# Altium PCB ZLS_MCU.PcbDoc (part 2 of 5) (continued)
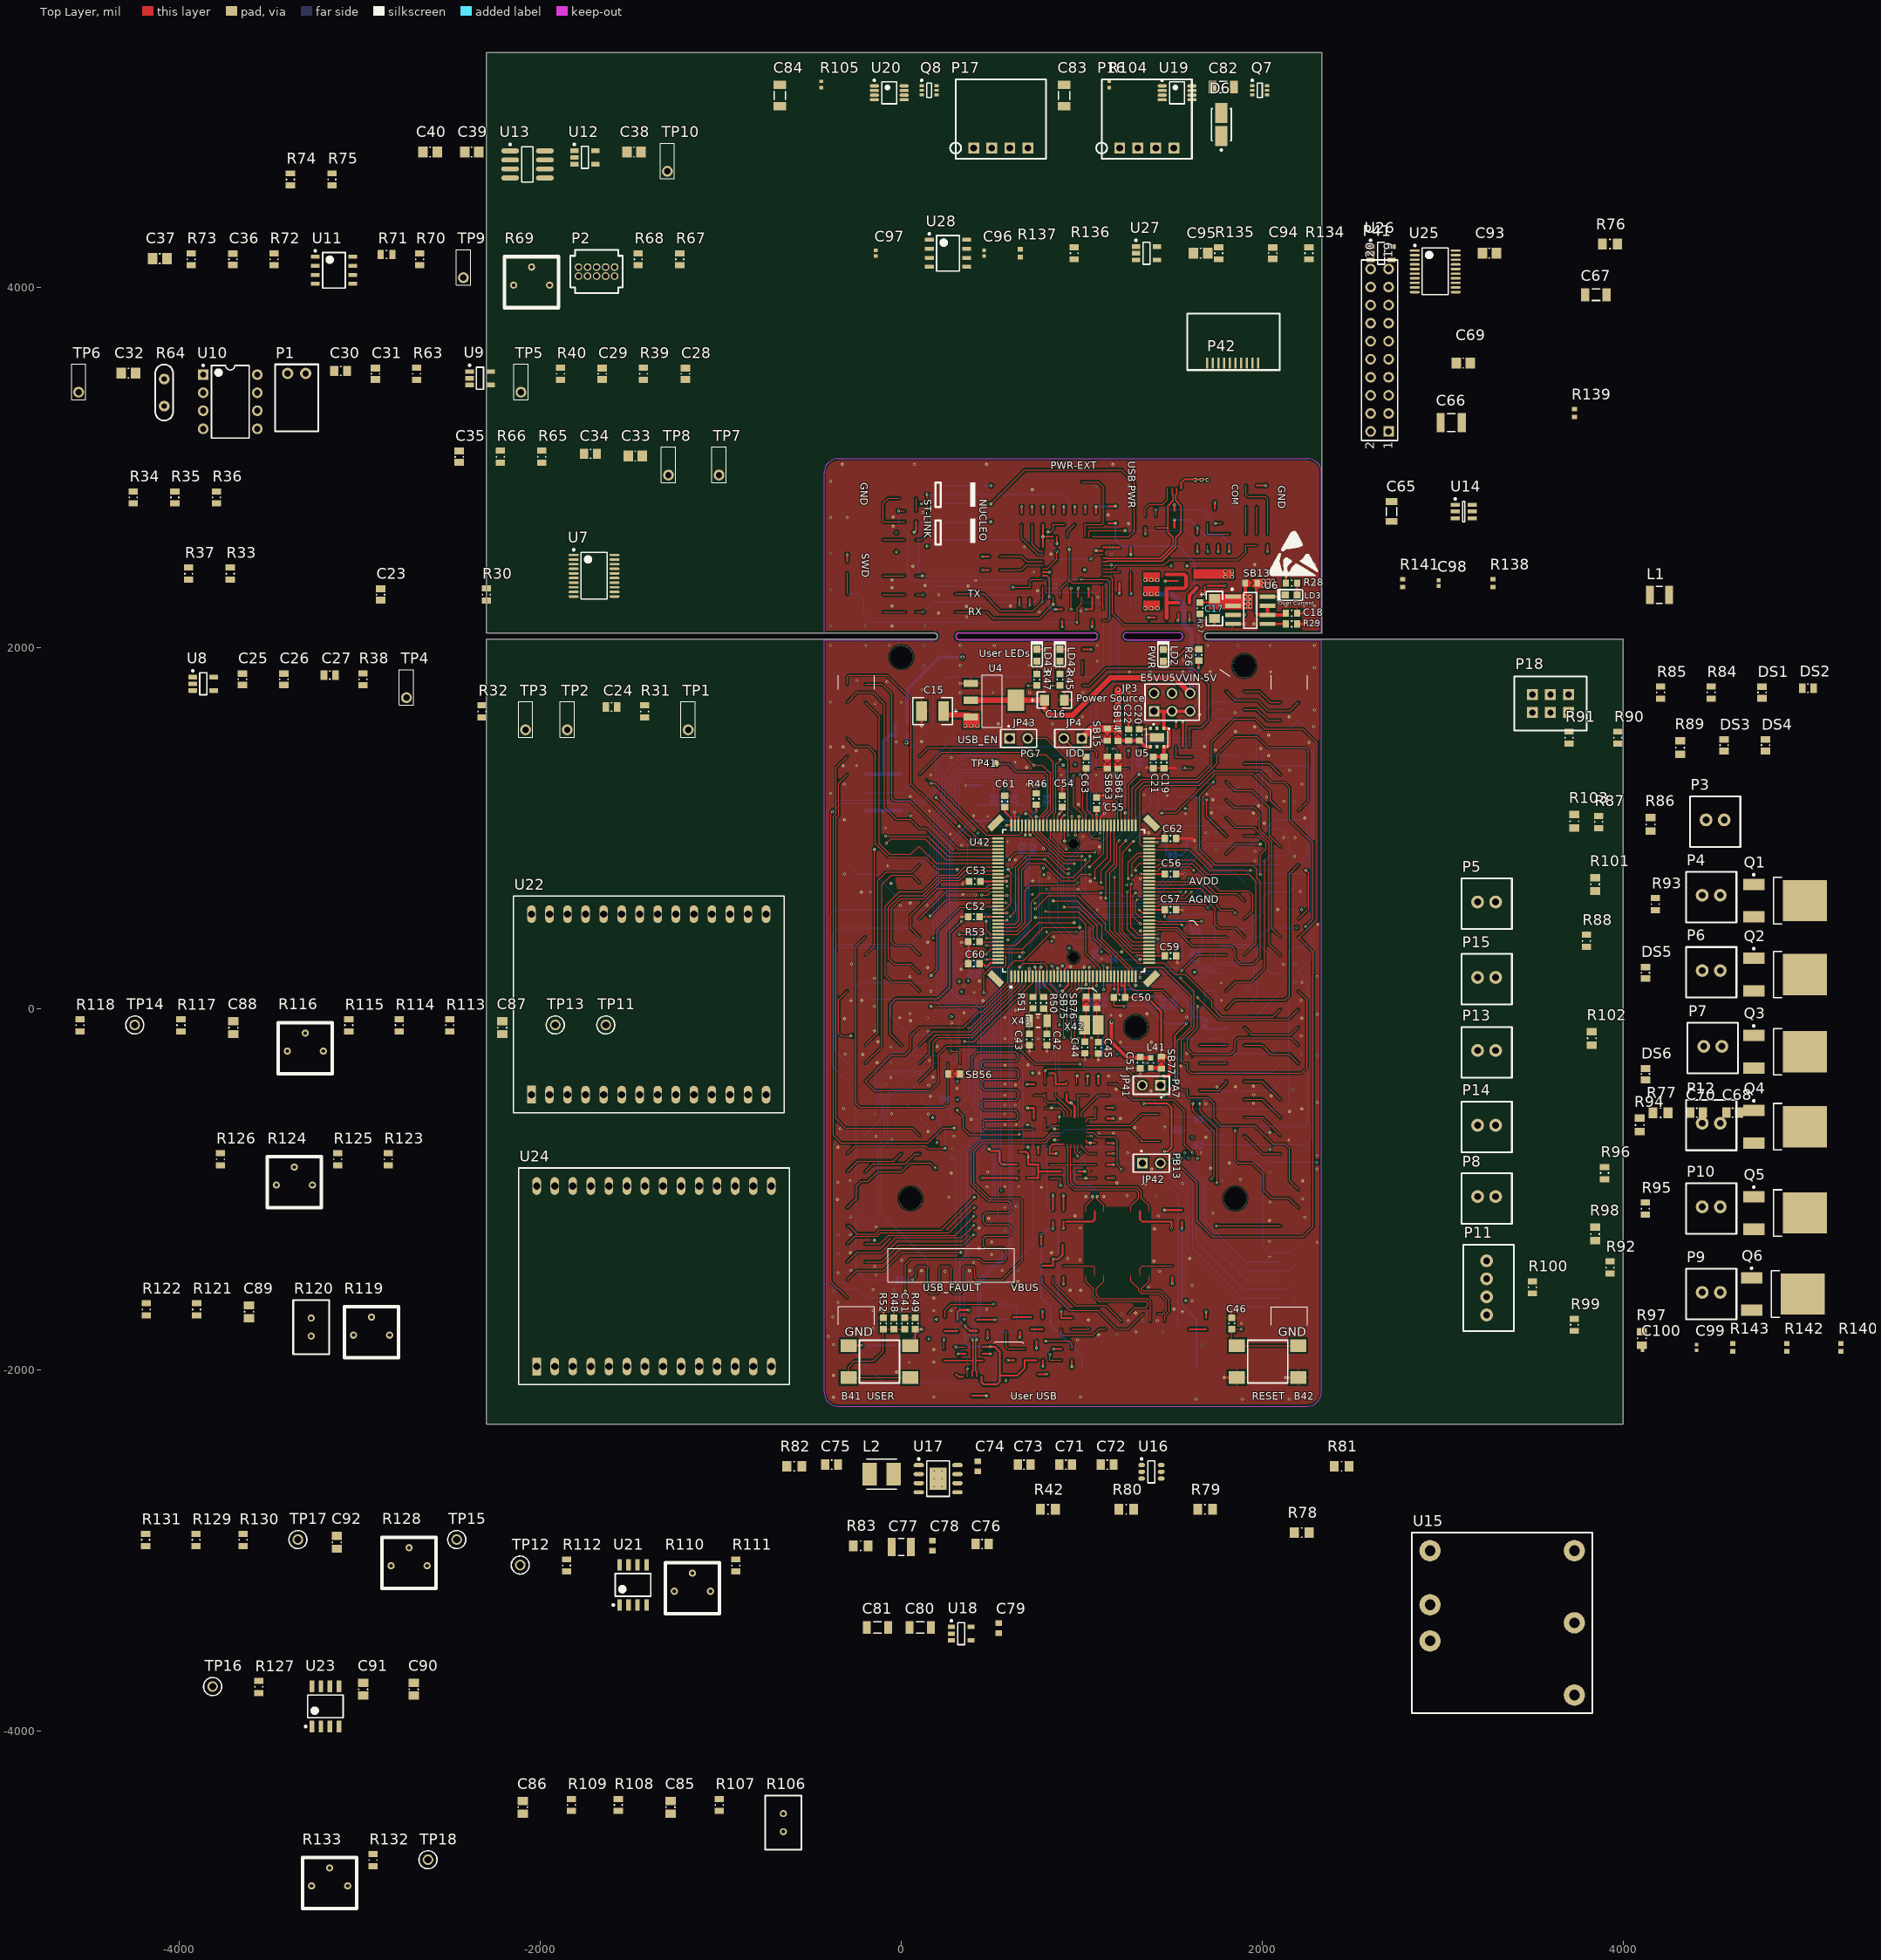
[diagram p0: Top Layer view]
## Part data (continued)
U16: "IC REG SWTCHD CAP INV 6SOT23", Current - Output=200mA, Frequency - Switching=2MHz, Manufacturer="Texas Instruments", Operating Temperature="-40°C ~ 85°C (TA)", Package / Case=SOT-23-6, Supplier Part Number 1=296-43957-6-ND, Voltage - Input (Max)=5.5V, Voltage - Input (Min)=2.7V, Voltage - Output (Max)=-, Voltage - Output (Min/Fixed)=-Vin, Category="Integrated Circuits (ICs)", ComponentLink1Description=http://www.ti.com/lit/ds/symlink/lm2776.pdf, ComponentLink1URL=http://www.ti.com/lit/ds/symlink/lm2776.pdf, Function=Ratiometric, Manufacturer Part Number=LM2776DBVR, Mounting Type="Surface Mount", Number of Outputs=1, Output Configuration=Negative, Output Type=Fixed, Packaging=Digi-Reel®, Part Status=Active, Pricing 1="1=1.05, 10=0.936, 100=0.7297, 500=0.60276, 1000=0.47586 (USD)", RoHS="RoHS Compliant", Stock 1=13045, Supplier 1=Digi-Key, Supplier Device Package=SOT-23-6, Synchronous Rectifier=No, Topology="Charge Pump"
U17: library part LMR23625CDDAR, "IC REG BUCK ADJ 2.5A SYNC 8SOPWR", Current - Output=2.5A, Frequency - Switching=2.1MHz, Manufacturer="Texas Instruments", Operating Temperature="-40°C ~ 125°C (TJ)", Package / Case="8-PowerSOIC (0.154\", 3.90mm Width)", Supplier Device Package="8-SO PowerPad", Supplier Part Number 1=296-47269-1-ND, Voltage - Input (Max)=36V, Voltage - Input (Min)=4.5V, Voltage - Output (Max)=28V, Voltage - Output (Min/Fixed)=1V, Category="Integrated Circuits (ICs)", ComponentLink1Description=http://www.ti.com/lit/ds/symlink/lmr23625.pdf, ComponentLink1URL=http://www.ti.com/lit/ds/symlink/lmr23625.pdf, Function=Step-Down, Manufacturer Part Number=LMR23625CFDDAR, Mounting Type="Surface Mount", Number of Outputs=1, Output Configuration=Positive, Output Type=Adjustable, Packaging="Cut Tape (CT)", Part Status=Active, Pricing 1="1=3.24, 10=2.912, 100=2.3861, 500=2.03124, 1000=1.7131 (USD)", RoHS="RoHS Compliant", Stock 1=2378, Supplier 1=Digi-Key, Synchronous Rectifier=Yes, Topology=Buck
U18: library part CMP-0394-00528-2, "Single Output LDO, 300 mA, Fixed 3.3 V Output, 2 to 5.5 V Input, with Low IQ, 5-pin SOT-23 (DBV), -40 to 125 degC, Green (RoHS & no Sb/Br)", Base Part Number=TLV70233, Current - Output=300mA, Manufacturer="Texas Instruments", Operating Temperature="-40°C ~ 125°C", Package / Case="SC-74A, SOT-753", Supplier Device Package=SOT-23-5, Supplier Part Number 1=296-32415-1-ND, Voltage - Input (Max)=5.5V, Voltage - Output (Max)=-, Voltage - Output (Min/Fixed)=3.3V, Voltage Dropout (Max)="0.38V @ 300mA", Category="Integrated Circuits (ICs)", ComponentLink1Description=http://www.ti.com/lit/ds/symlink/tlv702.pdf, ComponentLink1URL=http://www.ti.com/lit/ds/symlink/tlv702.pdf, Control Features=Enable, Manufacturer Part Number=TLV70233DBVR, Mounting Type="Surface Mount", Output Configuration=Positive, Output Type=Fixed, Packaging="Cut Tape (CT)", Part Status=Active, Pricing 1="1=0.51, 10=0.44, 100=0.3288, 500=0.25832, 1000=0.19961 (USD)", Protection Features="Over Current, Over Temperature, Reverse Polarity, Under Voltage Lockout (UVLO)", PSRR="68dB (1kHz)", RoHS="RoHS Compliant", Stock 1=65852, Supplier 1=Digi-Key
U19 U20: library part CMP-0479-00214-1, "Low Loss PowerPath Controller for Large PFET, 3 to 36 V Vin, 8-pin SOP (MS8-8), -40 to 85 degC, Pb-Free, Tape and Reel", Base Part Number=LTC4414, Current - Output (Max)=-, Manufacturer="Linear Technology/Analog Devices", Manufacturer Part Number=LTC4414EMS8#PBF, Operating Temperature="-40°C ~ 85°C", Package / Case="8-TSSOP, 8-MSOP (0.118\", 3.00mm Width)", Supplier Device Package=8-MSOP, Supplier Part Number 1=LTC4414EMS8#PBF-ND, Voltage - Supply="3 V ~ 36 V", Applications="Battery Backup, Industrial/Automotive, High Current Switch", Category="Integrated Circuits (ICs)", ComponentLink1Description=http://www.linear.com/docs/9037, ComponentLink1URL=http://www.linear.com/docs/9037, FET Type=P-Channel, Internal Switch(s)=No, Mounting Type="Surface Mount", Packaging=Tube, Part Status=Active, Pricing 1="1=3.79, 25=2.6928, 100=2.2236 (USD)", Ratio - Input:Output=2:1, RoHS="RoHS Compliant", Stock 1=414, Supplier 1=Digi-Key, Type="Source Selector Switch"
U21: library part CMP-0055-00867-3, "Low Power CMOS Dual Operational Amplifier, 8-pin Narrow SOIC", Manufacturer="Texas Instruments", Package Reference=D0008A, PackageTopMarking=NSZXTT*LPC66*2AIM, PowerWise=N, Code_IPC=SOIC127P600-8, Code_JEDEC=MS-012-AA, ComponentLink1Description="Datasheet URL", ComponentLink1URL=http://www.ti.com/general/docs/lit/getliterature.tsp?genericPartNumber=LPC662&fileType=pdf, CompType=Amplifiers, PackageDescription="SOIC Narrow, 4.9 x 3.9 x 1.45mm, 8 Lead, 1.27mm Pitch", PartId=1, PinCount=8, RoHS=N
U22 U24: "Single Axix CMOS Signal Conditioning Module", Manufacturer=Spectron, Manufacturer Part Number=A40012
U23: library part CMP-0055-00867-3, "Low Power CMOS Dual Operational Amplifier, 8-pin Narrow SOIC", Base Part Number=LPC662, Current - Supply=86µA, Manufacturer="Texas Instruments", Manufacturer Part Number=LPC662AIMX/NOPB, Operating Temperature="-40°C ~ 85°C", Package / Case="8-SOIC (0.154\", 3.90mm Width)", Supplier Device Package=8-SOIC, Supplier Part Number 1=296-35456-1-ND, Voltage - Supply, Single/Dual (±)="4.75 V ~ 15.5 V, ±2.38 V ~ 7.75 V", Amplifier Type="General Purpose", Category="Integrated Circuits (ICs)", ComponentLink1Description=http://www.ti.com/lit/ds/symlink/lpc662.pdf, ComponentLink1URL=http://www.ti.com/lit/ds/symlink/lpc662.pdf, Mounting Type="Surface Mount", Output Type=Rail-to-Rail, Packaging="Cut Tape (CT)", Part Status=Active, Pricing 1="1=2.98, 10=2.672, 100=2.1893, 500=1.86368, 1000=1.57178 (USD)", RoHS="RoHS Compliant", Slew Rate="0.11 V/µs", Stock 1=4976, Supplier 1=Digi-Key
U28: library part CMP-0055-00893-3, "CMOS Dual Operational Amplifier, 8-pin Narrow SOIC", Manufacturer="Texas Instruments", Package Reference=D0008A, PackageTopMarking=NSZXTT*LMC66*2CM, PowerWise=N, Code_IPC=SOIC127P600-8, Code_JEDEC=MS-012-AA, ComponentLink1Description="Datasheet URL", ComponentLink1URL=http://www.ti.com/general/docs/lit/getliterature.tsp?genericPartNumber=LMC662&fileType=pdf, CompType=Amplifiers, PackageDescription="SOIC Narrow, 4.9 x 3.9 x 1.45mm, 8 Lead, 1.27mm Pitch", PartId=1, PinCount=8, RoHS=N
X41: library part CRYSTAL_32K, "Crystal"
X42: library part XTAL, "Crystal Oscillator", LatestRevisionDate=17-Jul-2002, LatestRevisionNote="Re-released for DXP Platform.", PackageReference=R38, Published=8-Jun-2000, Publisher="Altium Limited"
SB62 SB64 SB78 SB79 SB81 SB82 SB83 SB85 SB86: Published=24-Mar-1999, Publisher="Altium Limited", Revision="July-2002: Re-released for DXP Platform.", Solder=NO

## Free pads (board coordinates)
  round 125.98 hole 125.98 unplated: 0(0,1950) 0(50,-1050) 0(1300,-100) 0(1850,-1050) 0(1900,1900)

## Via types
v1: diameter 16, hole 8, Top Layer to Bottom Layer, tented both sides, 464 vias
v2: diameter 15, hole 8, Top Layer to Bottom Layer, tented both sides, 415 vias
v3: diameter 20, hole 12, Top Layer to Bottom Layer, tented both sides, 39 vias
v4: diameter 19.68, hole 7.87, Top Layer to Bottom Layer, 6 vias
v5: diameter 15, hole 8, Top Layer to Bottom Layer, 1 vias

## Nets (pads, with @x,y where several pads share a name; then routed paths per layer and width w, separated by ;. In a path a pad name is that pad's centre, name@x,y a point inside that pad or via, vN(x,y) a via of type N, cw(c..) or ccw(c..) an arc to the next point about the centre after c; other vN are vias at no path point)
+3.3: C80.2 R104.2 R105.2 U9.5 U18.5
+3V3: JP4.1 P41.1 P41.2 SB14.2 SB15.1 | length 435.2
  Top Layer w40: JP4.1@1000,1500 1053.75,1553.75 SB15.1@1141,1553.75 SB14.2@1199,1553.75 ; SB14.2@1200,1552.75 v3@1200,1766.66
  other v3: 1201.79,1706 1201.79,1737.22 1201.79,1768.45
+3V3_PER: SB15.2 | length 2964.5
  Top Layer w10: v2(654,2236.7) 654,2273.2 ; SB15.2@1139.75,1487.5 SB15.2@1141,1486.25 ; 1522.09,1559.15 v1(1522.09,1595)
  Top Layer w20: v3(1103,1486) 1140.75,1486 SB15.2@1141,1486.25
  Signal w10: v3(339,1948.5) 330.5,1948.5 275,2004 275,2100.94 310.06,2136 621.5,2136 654,2168.5 v2@654,2235
  Signal w20: v3(339,1948.5) 982.26,1948.5 1103,1827.76 v3(1103,1486)
  Bottom Layer w10: v3(1103,1486) 1212,1595 v1(1522.09,1595)
  Bottom Layer w20: 32.75,1577 32.75,1772.75 208.5,1948.5 v3(339,1948.5)
+5: C24.1 C68.2 C69.2 C70.2 C75.1 C76.1 C81.2 C86.1 C91.1 C96.2 L1.1 L2.2 P2.4 R31.2 R82.2 R86.2 R89.2 R94.1 R97.1 R98.2 R101.1 R102.1 R103.1 U8.5 U14.4 U14.6 U18.1 U18.3 U21.8 U22.7 U23.8 U24.7 U28.8
"+5 BBB": C71.1 R78.1 U16.3 U16.4
+5R: U7.4 U7.9 U12.1 U12.4
+5V: C19.1 C21.2 JP3.1 JP3.3 JP3.5 R26.2 U5.1 U5.6 | length 2072
  Top Layer w10: 1147,2690.76 v1@1185.61,2690.76 ; v2(1648,1892) R26.2@1648,1930.5
  Top Layer w20: C21.2@1396,1397.5 C19.1@1455,1397.5 U5.6@1455,1452.22 ; JP3.1@1400,1650 1454,1650 ; U5.6@1454.4,1452.82 1475.82,1452.82 1482,1459 1482,1545 1471.82,1555.18 U5.1@1454.4,1555.18 1454.4,1649.6 1454,1650 ; JP3.5@1600,1650 JP3.3@1500,1650 1454,1650
  Bottom Layer w10: v1(1186.37,2691.51) 1186.37,2596.63 1217,2566 1533.87,2566 1625,2474.87 1625,2129 1648,2106 v2(1648,1892) 1648,1698 JP3.5@1600,1650
+12: C31.2 C37.2 C38.2 C40.2 C93.2 C95.2 DS1.1 DS2.1 DS3.1 DS4.1 DS5.1 DS6.1 P4.1 P6.1 P7.1 P9.1 P10.1 P12.1 R81.1 U7.16 U11.8 U12.5 U13.2 U15.4 U26.5 U27.5
-5: C28.1 C30.1 C72.1 C99.2 P2.3 U7.5 U8.2 U16.1 U21.4 U23.4 U28.4
AGND: C50.2 SB86.1 SB87.2 U42.31 | length 1362.7
  Top Layer w8: U42.31@1200.06,181.69 1200.06,88.56 C50.2@1176.5,65 1176.5,21.14 1180.53,17.11 1234.14,17.11 v2(1234.25,17) ; v2(1453,-482) 1517.21,-417.79 1517.21,-332.72 1514.7,-330.21 1514.7,-145.9 v2(1580,-80.6)
  Bottom Layer w8: v2(1234.25,17) 1361.59,17 1459.19,-80.6 v2(1580,-80.6) 1615.35,-45.25 ; SB86.1@1509,69.45 1538.55,69.45 1607.2,0.8 1607.2,0.28 1615.35,-7.87 1615.35,-45.25 ; SB87.2@1680,-45.25 1615.35,-45.25
"Arrestment Heater FET": R92.1
"Arrestment Htr Out": P7.2 Q3.4 R91.2
"Arrestment Htr_LED": DS4.2 R91.1
"Arrestment Thermistor": P8.1 R94.2
Aux+: D6.1 P16.1
AVDD: C50.1 SB77.2 U42.32 U42.33 | length 850.9
  Top Layer w10: U42.32@1219.75,181.69 1219.75,128.39 1239.43,128.39 ; U42.33@1239.43,181.69 1239.43,128.39 ; C50.1@1239.5,62 1239.43,62.07 1239.43,128.39 ; C50.1@1239.5,65 1359.74,65 1440,-15.26 SB77.2@1440,-262.8
  Top Layer w20: SB77.2@1440,-262.8 1470.8,-262.8 1487,-279 1487,-361.1 1476.1,-372 1452,-372 v3(1450.86,-373.14)
Battery_1: C83.2 P17.1 Q7.1 Q7.2 Q7.5 Q7.6 U19.7
Battery_2: C84.2 P17.3 Q8.1 Q8.2 Q8.5 Q8.6 U20.7
BBB_PWR_SW: P16.2
BEAM: P2.1 TP2.1 U7.14
"Beam Sync Demod Out": C29.2 R31.1 R33.1 R34.2 TP1.1
Beam_In: P42.10 R143.2 U28.5
Beam_mod: R32.2 TP3.1 U7.13
"Board1 Heater FET": R99.1
"Board1 Htr Out": P10.2 Q5.4 R95.1
"Board1 Thermistor": P13.1 R101.2
"Board1_Htr LED": DS5.2 R95.2
"Board2 Heater FET": R100.1
"Board2 Htr Out": P12.2 Q6.4 R96.1
"Board2 Thermistor": P14.1 R102.2
"Board2_Htr LED": DS6.2 R96.2
BOOT0: R53.1 U42.138 | length 1829.9
  Top Layer w5: -300,1500 -254.5,1454.5 -183.5,1454.5 -144,1415 -144,916.22 -69.81,842.03 132.97,842.03 200,775 310,775 v1(310,773) ; v1(320.57,414) 426,414 433.5,406.5 R53.1@433.5,373 ; R53.1@434,372.5 U42.138@534.57,372.5
  Bottom Layer w5: v1@310,775 v1(310,773) 298,761 298,436.57 v1(320.57,414)
Bottom_In: R72.1 U7.8
"Conning Tower Heater FET": R87.1
"Conning Tower Htr Out": P6.2 Q1.4 R84.1
"Conning Tower Htr_LED": DS1.2 R84.2
"Conning Tower Thermistor": P3.1 R86.1
Cross_Black: P18.3 U24.25
Cross_Blue: P18.5 U24.24
Cross_Raw: R130.1 TP15.1 U24.19
Cross_Yellow: C89.2 P18.1 U24.27
E5V: JP3.2
"Gearbox Heater FET": R93.1
"Gearbox Htr Out": P4.2 Q4.4 R90.1
"Gearbox Htr_LED": DS3.2 R90.2
"Gearbox Thermistor": P5.1 R89.1
GND: B42.1 B42.4 C15.2 C16.2 C17.2 C18.1 C19.2 C20.2 C21.1 C22.1 C24.2 C25.1 C26.1 C27.1 C28.2 C29.1 C30.2 C31.1 C33.1 C34.2 C37.1 C38.1 C39.1 C40.1 C42.2 C43.2 C44.2 C45.2 C46.1 C47.2 C48.2 C49.2 C51.2 C52.2 C53.2 C54.2 C55.2 C56.2 C57.2 C58.2 C59.2 C60.2 C61.2 C62.2 C63.2 C66.1 C67.1 C68.1 C69.1 C70.1 C71.2 C72.2 C76.2 C77.1 C78.1 C79.1 C80.1 C81.1 C82.1 C83.1 C84.1 C86.2 C88.2 C91.2 C92.2 C93.1 C94.1 C95.1 C96.1 C99.1 C100.1 LD2.2 LD42.2 LD43.2 P1.1 P2.2 P2.9 P3.2 P5.2 P8.2 P11.2 P11.4 P13.2 P14.2 P15.2 P16.3 P16.4 P17.2 P17.4 P41.4 P41.6 P41.8 P41.10 P41.12 P41.14 P41.16 P41.18 P41.20 Q1.3 Q2.3 Q3.3 Q4.3 Q5.3 Q6.3 R29.1 R40.1 R52.2 R53.2 R63.1 R64.2 R69.2 R74.1 R75.1 R77.2 R79.2 R80.2 R83.1 R118.1 R132.1 R135.2 R141.2 R142.2 R143.1 SB59.2 SB81.2 SB83.2 SB84.2 SB87.1 TP7.1 U4.1 U5.0 U5.2 U6.4 U7.2 U7.6 U7.7 U7.12 U9.2 U10.4 U11.4 U12.2 U13.4 U14.2 U15.2 U15.6 U16.2 U17.6 U17.8 U17.9 U18.2 U19.2 U19.3 U20.2 U20.3 U22.22 U24.22 U25.1 U25.2 U25.3 U25.4 U25.5 U25.6 U25.7 U25.8 U25.9 U25.10 U25.14 U25.19 U26.2 U27.2 U42.16 U42.51 U42.61 U42.83 U42.94 U42.107 U42.120 U42.130 | length 2880.8
  Top Layer w8: U42.130@535.69,531.1 v1@584.73,531.1 ; U42.120@535.69,727.95 572.04,727.95 583.08,739 v2(589,739) ; v1(627,1091.28) 627.98,1090.3 627.98,1019.52 U42.107@629.2,1018.31 ; U42.16@904.79,181.69 904.79,219.79 920,235 v1(938.42,235) ; v2(1023,1298) C63.2@1023,1334.5 C63.2@1030,1327.51 ; U42.83@1101.64,1018.31 1101.64,1060.14 v1(1125.75,1084.25) ; v2(1319,550.79) 1319,548.74 1334.86,532.88 1370.53,532.88 U42.51@1372.31,531.1 ; v1(1323,-364) 1324,-363 C51.2@1324,-328.9 ; v2(1323.54,722.64) 1327.41,726.5 U42.61@1370.85,726.5
  Top Layer w10: R52.2@-100,-1710.5 v2(-100,-1674) ; v1(111.98,1567.98) C15.2@111.98,1651 ; v1@324,1804 v1(326,1804) U4.1@385,1804 ; v2(331.75,368.5) R53.2@368.25,368.5 ; v2(334,512) C52.2@370.5,512 ; v1(340.82,693) 340.82,701.82 347,708 C53.2@375.5,708 ; C60.2@370.5,252 R53.2@370.5,373 ; v2(709,-236) C43.2@709,-199.5 ; LD43.2@752.75,1993.46 v2(799.75,1993.43) ; v2(807,-236) C42.2@807,-199.5 ; LD42.2@879.76,1993 v2@926.73,1993 ; U42.94@885.1,1018.31 885.1,1056.69 v2(902,1073.58) ; C54.2@890,1185 v2(890,1230) ; C16.2@903,1712 v1(951,1712) ; v2(1016,-281) C44.2@1016,-244.5 ; C55.2@1082,1182.5 v2(1125.75,1182.5) ; v2(1091,-282) C45.2@1091,-245.5 ; C22.1@1259,1550.5 v2(1259,1628.07) ; C20.2@1318,1550.5 v2@1354.5,1550.5 ; v2(1354.5,1522) U5.0@1391,1522 ; v2(1359.5,1334.5) C21.1@1396,1334.5 1522,1334.5 ; LD2.2@1451.04,1992.79 v2(1498.04,1992.77) ; C57.2@1522.5,551 v2(1558,551) ; C56.2@1522.5,748 v2(1570,748) ; C62.2@1522.5,945 1613.75,945 v2(1625.75,933) ; C59.2@1523.5,296 C59.2@1522.5,295 1530,287.5 v2(1530,255.51) ; v2(1735,2127.5) C17.2@1735,2164 ; v1(1788.87,-2041.58) B42.1@1858.72,-2041.58 ; C46.1@1830,-1710.5 v1(1830,-1675) ; U6.4@1837.53,2134 v1(1903,2134) ; v1(2129.42,-2041.58) B42.4@2199.28,-2041.58 ; R29.1@2193.5,2134 v1(2232,2134) ; C18.1@2193.5,2193 v1(2233,2193)
  Bottom Layer w10: v1(331,221) 330,221 330,239.36 342.46,251.83 SB83.2@368.19,251.83 ; v2(354,1239) 355,1240 C47.2@425,1240 C47.2@446,1240 ; v2(1108,276.3) 1108.3,276 SB84.2@1138.25,276 ; SB81.2@1535.75,853 1554.3,853 1578.5,877.2 C48.2@1578.5,926 ; C48.2@1578,932 1624.75,932 v2(1625.75,933) ; SB59.2@1600.25,314 1600.25,280.75 1616.46,264.54 1641.54,264.54 v2(1642,265) ; SB87.1@1680,-112.75 1787.25,-112.75 1800,-100
  other v1: 1631.03,-2161 1890,-2161 2148.97,-2161 -376.5,-2150 -142.25,-2150 179,-2149 622,-2149 807.21,-2149 993,-2149 -376.5,-2029 -25.75,-2010.04 43,-1955.06 179,-1955.06 179.47,-1886 1669,-1861 -376.5,-1859 977,-1832 -404,-1814 1092,-1805 1193,-1803 1448.82,-1789 1299.1,-1788 -157.97,-1768 1884,-1741 1257.62,-1726.17 1337.94,-1726.17 1418.25,-1726.17 1037,-1722 -380,-1706 1219.75,-1691.86 1297.78,-1682.87 1556,-1678 -156,-1670.5 179,-1670.5 276.5,-1670 473,-1664 1510,-1662 -351.37,-1626 1610.94,-1615.79 179,-1602 -375,-1566.79 936,-1558 994,-1558 -42,-1557 -156,-1554 179,-1540 1371,-1540 1611,-1531 646,-1509 -141,-1475 -351.37,-1462 241,-1454 1431,-1453 48,-1450 112,-1450 378,-1450 559,-1448 647,-1447.71 400.5,-1404 1399,-1396 2,-1391 990,-1391 922,-1382 1597.26,-1382 499,-1360 -351.37,-1356 832,-1350 429.52,-1326 2304,-1292.86 499,-1290 2040,-1286 -148.74,-1279.7 -351.37,-1250 574.5,-1228 1402.35,-1218 991.76,-1214 430.77,-1212.62 -140,-1206.5 2039,-1172 484,-1160 2235,-1153 1423,-1146 962,-1145 1727,-1130 2042,-1069 -354,-1055 2224,-1052 264,-1042 1022.9,-1039 1122,-1039 1408,-1035 1251,-1034 474,-984.5 1351,-969 1558,-965.53 1194,-963 -352,-960 2223,-951 1775,-950.06 1879,-945 276.5,-907.39 479,-902 2043,-902 1387,-886 2302,-886 1713,-881 1817,-852 282,-822 2304,-813 1254,-795.84 1662,-795.34 2043,-778 282.11,-774 -352,-765.17 2147.65,-726 1687,-710 -141,-705 291,-703.84 2042.03,-684 148.13,-679 -340,-663 387.74,-611 1213,-606 -146,-583 -54,-579 2151,-568 -320.97,-552 2218.02,-552.5 1687,-525 1952,-522 2304,-515.94 2049,-481 1953,-474 1383,-454 2169,-445 309,-440 1851,-430 1951,-427 151,-421 -88,-419 -59,-379 175,-377 701,-309.5 -59,-298 -135,-297 156,-285 2304,-256.97 -214,-251 2217,-250 1582,-246 -59,-208.17 197,-208 -130.5,-181.5 2216,-148 -150,-122 279.5,-77 -316,-52 2218,-51 144,-49 1580,-44 1214,-35.76 2304,-28 1361,-26 346.79,-21 -149,16.3 837,40 453,47 -280,48 -219,49 2215,49.25 163.77,100 2220.03,148 2181,149 433,155.5 -149,171 2304,180 146,229.8 2181,246 2117,248 -276,250 655,291 146,370 585,533 2085,551 -7,574 142,576 406,586 48.5,588 1104.94,615 -222,648 2210,650 -58,697 1047.34,708.45 -316,748 2179,846 1097,900 2118,949.45 2181,950 1004,956.01 1370.05,976.02 1743.93,978 2011,1029 -316,1049.07 2235,1059 1950,1085 1719,1088 1980,1127 981,1134 1178,1135 1126,1136 2176,1149 2119,1152 1726,1160 2024,1175 1196,1183 -316,1246 2218,1246 2024,1321 2151,1323 693.93,1339.01 -323,1348 2034.5,1404 1355,1417.57 1740,1434 1993,1443 -323,1452 1679,1454.5 2258,1476 478,1478 -28.66,1480 111,1481 2035,1517.25 1852,1537 1958.25,1563 2284,1565 537,1580 709,1581 837.5,1581 1002,1619 2148,1619 1322,1632 1653,1632 1849,1642.49 -146,1693.35 326,1753 509.5,1753 710.81,1753 1005,1753 1262,1753 1449,1753 112.48,1770 1563.22,1932 -53,2122 -392,2123 -199,2123 1953,2134 2289,2134 362,2172 205.24,2194.26 763.56,2200.71 994.54,2206 361,2231 -53,2232.94 605,2232.94 2132,2235 2232,2235 2289,2235 1089,2281 207,2296 754,2318 -392,2323.94 -53,2334 370,2344 131,2346 854.71,2355 2289,2363 411,2374 -53,2377.94 731,2420 63,2453 1957.34,2463 2074,2463 2186,2463 2289,2463 1164,2519 829,2520 -392,2523.94 683,2559 -45.56,2675 1260,2690 -392,2723.94 -300,2723.94 -45.07,2726 1146,2738 119.84,2752 725,2877.94 1077,2894 1259,2897 -392,2924 -328,3018 72,3018 472,3018 872,3018 1172,3018
  other v2: 374,-1813 -280,-1448 -148,-1425 2041,-1374 -282,-1350 -282,-1250 -281,-1150 574.5,-1097 638,-1093.17 776,-986 575,-985 649,-985 -283,-951 -51,-721 1094,-686 1175,-686 1293,-657 1458,-654 575,-638 634,-638 149,-582 575,-581 575,-532 633,-532 162,-483 575,-476.02 1189.2,-444 1748,-432 633,-420 575,-417.24 1148,-369.63 762.42,-354.5 1549,-316 575,-311 -311,-250 1215,-183 1385,-183 575,-162 633,-162 758,-162 979,-162 1054,-161 147,-121 51,-65 -9,-49.94 575,-46 757,-46 1161,-35 48.5,-24 633,-7 1772,47 405.67,91 347,127.43 1773,147 48,179 1013,232.5 590,383 845.5,401 803.45,426 2306,469 1087,549.94 742,585.69 410,632 341.32,634 727,634 -172,650 979,664 587,680 1248,688 728,709 815,726.64 -75,795 1959.06,824 633,827 1962,874 1266.25,880 1744,881 915.13,889 787,889.43 334,908 592,927 272.84,971 1101,972 1685.99,978.54 1547.5,980.5 402.69,995 -91,1004 478,1070 50,1071 400,1071 1574,1081 157,1099.36 49,1179 1473.99,1184 1345.31,1185 1693.59,1190 -391.5,1196 698,1245 544,1268 164.5,1296 889,1297 1076,1297 1180,1297 876,1338 -250,1347 629,1366.25 276,1393 -249,1431 -391.5,1452.5 1353,1550 2288.5,1656.82 -1,1697 -391.5,1700 111.98,1770.5 -80,1813 -248,1821 1262.5,1868 1379,1868 1561,1868 1711,1868 2045,1868 2288.5,1891 125,1903 326.5,1903 510,1903 710.31,1903 837,1903 1087,1927 926.76,1992.97 -391.5,2014 -199.5,2014 -69,2014 125,2014 326.5,2014 515.21,2014 1087,2014 1695,2014 1864.59,2014 2046.18,2014 2288.5,2014 130,2123
  other v4: 181.83,-2644.75 225.13,-2644.75 181.83,-2601.44 225.13,-2601.44 181.83,-2558.13 225.13,-2558.13
Guard: R138.2
IOREF: 
"Lid Thermistor": P15.1 R103.2
Long_Black: P18.4 U22.25
Long_Blue: P18.6 U22.24
Long_Raw: R113.1 TP11.1 U22.19
Long_Yellow: C85.2 P18.2 U22.27
"Meter Heater FET": R88.1
"Meter Thermistor 1": P11.3 R98.1
"Meter Thermistor 2": P11.1 R97.2
Meter_Htr_LED: DS2.2 R85.1
Meter_Htr_Out: P9.2 Q2.4 R85.2
NetB41_1: B41.1 B41.4 C41.2 R48.1 R52.1 | length 869
  Top Layer w5: C41.2@18,-1773.5 R48.1@-41,-1773.5 R52.1@-100,-1773.5 -100,-1897 -153,-1950 -260,-1950 -292.28,-1982.28 B41.1@-292.28,-2041.58 B41.4@48.28,-2041.58
NetC18_2: C18.2 JP3.4 SB13.2 U6.6 U6.7 | length 388.2
  Top Layer w16: SB13.2@1972.75,2360 1967.17,2354.42 1967.17,2189.83 1973,2184 U6.6@2028.47,2184
  Top Layer w20: U6.7@2028.47,2234 U6.6@2028.47,2184 C18.2@2130.5,2184
  other v3: 2006,2346 2033,2346 2060,2346 2006,2373 2033,2373 2060,2373
NetC20_1: C20.1 C22.2 SB14.1 U5.4 | length 194.9
  Top Layer w20: SB14.1@1200,1485.25 1202.25,1487.5 C22.2@1259,1487.5 C20.1@1318,1487.5 1352.69,1452.82 U5.4@1379.6,1452.82
NetC23_1: C23.1 R30.2 R32.1 U8.4
NetC23_2: C23.2 R30.1 R33.2 U8.1
NetC25_2: C25.2 R34.1 R35.2
NetC26_2: C26.2 R35.1 R36.2
NetC27_2: C27.2 R36.1 R38.2
NetC32_1: C32.1 U10.7
NetC32_2: C32.2 U10.6
NetC35_1: C35.1 R67.2 R68.2 R75.2
NetC35_2: C35.2 R65.1 R66.2
NetC36_1: C36.1 R71.2 R73.2 R74.2
NetC36_2: C36.2 R70.1 R72.2
NetC39_2: C39.2 U12.3 U13.6
NetC41_1: C41.1 R49.2 | length 59
  Top Layer w5: C41.1@18,-1710.5 R49.2@77,-1710.5
NetC42_1: C42.1 R50.1 X41.1 | length 147.8
  Top Layer w5: R50.1@788,3.5 807.21,-15.71 X41.1@807.21,-65 C42.1@807.21,-136.29
NetC43_1: C43.1 R51.1 X41.2 | length 148.4
  Top Layer w5: C43.1@708.79,-136.29 X41.2@708.79,-65 708.79,-16.46 R51.1@729,3.75
NetC44_1: C44.1 SB75.1 X42.2 | length 186.8
  Top Layer w5: X42.2@1015.6,-88 1024,-79.6 SB75.1@1024,2.25 ; C44.1@1016,-181.5 X42.2@1016,-88.4
NetC45_1: C45.1 SB76.1 X42.1 | length 187.2
  Top Layer w5: SB76.1@1083,2.25 1083,-80.6 X42.1@1090.4,-88 ; C45.1@1091,-182.5 X42.1@1091,-88.6
NetC47_1: C47.1 SB78.1 SB79.1 U42.106 | length 323.1
  Top Layer w10: U42.106@648.88,1018.31 v1(648.88,1067.12)
  Bottom Layer w10: C47.1@425,1130 510.75,1130 SB78.1@511,1130.25 SB79.1@570,1130.25 570,1089 591.88,1067.12 v1(648.88,1067.12)
NetC48_1: C48.1 SB81.1 U42.71 | length 169.8
  Top Layer w8: U42.71@1372.31,924.8 v2(1420.9,924.8)
  Bottom Layer w8: v2(1420.9,924.8) 1422.09,926 1468.5,926 1468.5,853.25 SB81.1@1468.25,853
NetC65_1: C65.1 R76.2 R77.1 U14.3
NetC73_1: C73.1 U16.5
NetC73_2: C73.2 U16.6
NetC74_1: C74.1 U17.2
NetC74_2: C74.2 L2.1 U17.1
NetC75_2: C75.2 R82.1 R83.2 U17.4
NetC77_2: C77.2 C78.2 U15.3 U17.5 U17.7
NetC79_2: C79.2 U17.3
NetC85_1: C85.1 U22.28
NetC87_1: C87.1 U22.21
NetC87_2: C87.2 U22.20
NetC89_1: C89.1 U24.28
NetC90_1: C90.1 U24.21
NetC90_2: C90.2 U24.20
NetC97_1: C97.1 R139.1
NetC97_2: C97.2 R141.1
NetC98_1: C98.1 R138.1 U28.6 U28.7
NetC98_2: C98.2 R142.1 U28.3
NetC100_2: C100.2 R140.2
NetCN41_14: 
NetCN42_25: 
NetCN42_27: 
NetCN42_29: 
NetCN42_31: 
NetCN42_69: 
NetCN43_1: 
NetCN43_2: 
NetCN43_10: 
NetJP41_2: JP41.2 | length 1509.3
  Top Layer w5: 796.01,-415.5 v2(796.01,-342.01) 806.72,-331.3 1244.3,-331.3 JP41.2@1335,-422
  Signal w5: 0,-200 56,-256 710,-256 v2(796.01,-342.01)
NetJP42_1: JP42.1 | length 568.1
  Top Layer w5: v1(849,-725) 849,-723.53 875.2,-723.53
  Bottom Layer w5: v1(849,-725) 886.5,-762.5 1188.49,-762.5 1209,-783 1209,-827.47 1235.53,-854 JP42.1@1309.94,-854
NetJP43_1: JP43.1 | length 5589.1
  Bottom Layer w5: JP43.1@600,1500 288,1500 192,1404 192,1222.02 127.95,1157.97 -355.03,1157.97 -411.9,1101.1 -411.9,-1757.1 -93,-2076 512,-2076 529,-2059 529,-1811 553.31,-1786.69 579,-1786.69 579.06,-1786.75 638,-1786.75
NetL1_2: L1.2 U14.1
NetL41_2: L41.2 SB77.1 | length 60
  Top Layer w20: L41.2@1382,-325.5 1435.2,-325.5 SB77.1@1440,-330.3
NetLD2_1: LD2.1 R26.1 | length 225
  Top Layer w10: LD2.1@1451.04,1925.86 1505.86,1925.86 1573.5,1993.5 R26.1@1648,1993.5
NetLD3_1: LD3.1 R28.2 | length 66
  Top Layer w10: LD3.1@2193.5,2294.03 R28.2@2193.5,2360
NetLD3_2: LD3.2 U6.8 | length 98.1
  Top Layer w10: U6.8@2028.47,2284 LD3.2@2126.54,2284
NetLD41_1: 
NetLD42_1: LD42.1 R45.2 | length 70.7
  Top Layer w5: LD42.1@877.76,1926.07 878,1925.83 R45.2@878,1855.5
NetLD43_1: LD43.1 R47.2 | length 71.1
  Top Layer w5: R47.2@750.75,1855.46 LD43.1@750.75,1926.53
NetP1_2: P1.2 R64.1 U10.3
NetP41_13: P41.13
NetP42_1: P42.1 R134.2
NetP42_2: P42.2 U26.4
NetP42_3: P42.3 R136.2
NetP42_4: P42.4 U27.4
NetP42_5: P42.5
NetP42_6: P42.6
NetP42_7: P42.7
NetP42_8: P42.8
NetP42_9: P42.9
NetQ1_1: Q1.1 R87.2
NetQ2_1: Q2.1 R88.2
NetQ3_1: Q3.1 R92.2
NetQ4_1: Q4.1 R93.2
NetQ5_1: Q5.1 R99.2
NetQ6_1: Q6.1 R100.2
NetQ7_3: Q7.3 U19.8
NetQ8_3: Q8.3 U20.8
NetR27_2: R27.2 U6.3 | length 1130.3
  Top Layer w5: 1117.32,2400.79 1153.11,2400.79 1170.53,2383.37 1170.53,2192.97 1233.5,2130 1632.5,2130 v2(1652,2149.5) R27.2@1652,2186 ; U6.3@1837.53,2184 v1(1903,2184)
  Bottom Layer w5: v2@1655,2150.6 1869.6,2150.6 v1(1903,2184)
NetR29_2: R29.2 U6.5 | length 92.8
  Top Layer w10: U6.5@2028.47,2134 R29.2@2121.31,2134
NetR38_1: R38.1 R63.2 U9.3
NetR40_2: R40.2 U8.3
NetR41_1: R42.1
NetR42_2: R42.2
NetR43_1: 
NetR44_2: R44.2 SB57.1 SB59.1 | length 118
  Bottom Layer w5: SB59.1@1667.75,314 SB57.1@1667.75,432
NetR45_1: R45.1 SB60.2 | length 1848.6
  Top Layer w5: v2@832.03,1792.5 R45.1@878,1792.5 R45.1@888.5,1792.5
  Signal w5: v2(425,975.63) 516,1066.63 516,1699 662,1845 779.47,1845 v2(832,1792.47)
  Bottom Layer w5: SB60.2@368.5,427 344.75,427 312,459.75 312,722 368.5,778.5 368.5,919.13 v2(425,975.63)
NetR46_1: R46.1 | length 4440.2
  Top Layer w10: v2(351.25,-1755) 378.91,-1782.66 417.16,-1782.66 419,-1784.5 ; 443.18,-2037 443.18,-2064.18 458.4,-2079.4 529,-2079.4 546,-2062.4 546,-2031 ; 451.24,-1871.6 v2(495,-1871.6) 517.6,-1871.6 546,-1900 546,-2031 ; v2(746.14,1094) 747,1094.86 R46.1@747,1132.5 ; 747.6,-1945.15 747.25,-1945.5 684,-1945.5 684,-1988 648,-2024 641,-2031 546,-2031
  Bottom Layer w10: v2(495,-1871.6) 369.85,-1871.6 351.25,-1853 v2(351.25,-1755) 324.1,-1727.85 324.1,-1395.9 361.5,-1358.5 361.5,-795.27 441.5,-715.27 441.5,0.75 390.08,52.17 325.46,52.17 267.4,110.23 267.4,923.4 386,1042 692.02,1042 744.02,1094 v2(746.14,1094)
NetR46_2: R46.2 SB62.1 | length 138
  Top Layer w5: R46.2@747,1182.5 R46.2@747.25,1182.75 ; R46.2@747,1195.5 747,1232 758,1243 v2(788.66,1243)
  Bottom Layer w5: v2(788.66,1243) 789,1243 806,1226 SB62.1@806,1197.75 SB62.1@806,1195.5
NetR47_1: R47.1 SB67.2 | length 1127.5
  Top Layer w5: v2(702.94,1792.47) R47.1@750.75,1792.47
  Signal w5: v2(702.94,1792.47) 809,1686.41 809,1364 855,1318 1204,1318 v1(1318,1432)
  Bottom Layer w5: SB67.2@1318,1400 v1(1318,1432)
NetR66_1: R66.1 R69.1
NetR67_1: R67.1 R71.1 U11.5
NetR68_1: R68.1 R73.1 U11.3
NetR69_3: R69.3 R70.2
NetR79_1: R79.1 R81.2 U15.5
NetR104_1: R104.1 U19.1
NetR105_1: R105.1 U20.1
NetR106_1: R106.1 R108.1 R109.1 U22.2
NetR106_2: R106.2 R108.2 U22.1
NetR107_1: R107.1 R113.2 U21.6
NetR107_2: R107.2 TP13.1 U21.3 U21.7
NetR109_2: R109.2 U22.3
NetR110_1: R110.1 R110.2 R112.2 U22.6
NetR110_3: R110.3 R111.1 R112.1
NetR111_2: R111.2 U22.5
NetR114_1: R114.1 R118.2 U21.5
NetR115_1: R115.1 R117.1 R119.2 U22.11
NetR115_2: R115.2 R119.1 U22.10
NetR116_1: R116.1 U22.18
NetR116_2: R116.2 R116.3 U22.17
NetR117_2: R117.2 R119.3 U22.12
NetR120_1: R120.1 R121.1 R122.1 U24.2
NetR120_2: R120.2 R121.2 U24.1
NetR122_2: R122.2 U24.3
NetR123_1: R123.1 R130.2 U23.6
NetR123_2: R123.2 TP17.1 U23.3 U23.7
NetR124_1: R124.1 R124.2 R126.2 U24.6
NetR124_3: R124.3 R125.1 R126.1
NetR125_2: R125.2 U24.5
NetR127_1: R127.1 R129.1 R133.2 U24.11
NetR127_2: R127.2 R133.1 U24.10
NetR128_1: R128.1 U24.18
NetR128_2: R128.2 R128.3 U24.17
NetR129_2: R129.2 R133.3 U24.12
NetR131_1: R131.1 R132.2 U23.5
NetR134_1: R134.1 U26.1
NetR135_1: R135.1 U25.11 U25.20
NetR136_1: R136.1 U27.1
NetR137_1: R137.1 R139.2 R140.1 U28.1
NetR137_2: R137.2 U28.2
NetSB56_1: SB56.1 | length 2401.9
  Top Layer w5: SB56.1@325.75,-359 363.5,-359 390,-332.5 390,-269 422,-237 632,-237 646,-251 646,-277 636,-287 457,-287 446,-298 446,-322 456.5,-332.5 636.6,-332.5 648,-343.9 648,-378.1 636.6,-389.5 459.4,-389.5 448,-400.9 448,-435.1 459.4,-446.5 636.6,-446.5 648,-457.9 648,-492.1 636.6,-503.5 459.4,-503.5 448,-514.9 448,-549.1 459.4,-560.5 629.5,-560.5 645,-576 645,-605 634,-616 462.1,-616 452,-626.1 452,-654 464,-666 733.5,-666
NetSB58_1: SB58.1 | length 873.1
  Top Layer w5: 796.5,-548 v1(832,-548) 877,-548 900.79,-571.79 900.79,-599.51
  Bottom Layer w5: v1(832,-548) 856,-524 856,-79 889,-46 1038.7,-46 1062,-22.7 SB58.1@1062,0.25
NetSB61_1: SB61.1 | length 1790
  Top Layer w5: 299.69,2200 474,2200 508,2166 765.46,2166 v1(841.73,2242.27) 841.73,2282.68 ; v2(1171,1445) 1185,1445 1200,1430 SB61.1@1200,1400
  Signal w5: v1(841.73,2242.27) 1120,2242.27 1171,2191.27 v2(1171,1445)
NetSB63_1: SB63.1 | length 1784.1
  Top Layer w5: 299.69,2300 454,2300 547,2207 731,2207 v2(782.5,2258.5) 782.68,2258.68 782.68,2341.73 ; SB63.1@1141,1400 v2@1141,1443.93
  Signal w5: v2(782.5,2258.5) 782.5,2224.5 828,2179 1086,2179 1141.07,2123.93 v2@1141.07,1444
  other v2: 1140,1444
NetSB64_1: SB64.1 | length 3971
  Top Layer w5: v2(301,-1872) 301.4,-1871.6 356.76,-1871.6 ; 366.41,-2037 366.41,-1991.59 v2(367,-1991)
  Bottom Layer w5: v2(301,-1872) 302.73,-1872 367,-1936.27 v2(367,-1991) ; v2@301.69,-1871.31 301.69,-804.31 409,-697 409,-12.71 376.62,19.67 312,19.67 237.1,94.57 237.1,1021.1 303.5,1087.5 303.5,1253.5 348,1298 559,1298 628.42,1228.58 SB64.1@628.42,1197.75 SB64.1@628.42,1185
NetSB65_1: SB65.1 | length 3070.8
  Top Layer w6.1: v2(416.75,-1831) 412.3,-1835.45 412.3,-1947 ; 417.59,-2037 417.59,-2007.15 412.3,-2001.85 412.3,-1947 ; 451.24,-1946.4 412.89,-1946.4 412.3,-1947
  Bottom Layer w6.1: v2(416.75,-1831) 412.3,-1826.55 412.3,-1723.7 439,-1697 439,-1512.21 612,-1339.21 612,335.57 705.78,429.36 705.78,835.78 SB65.1@728,858
NetSB66_1: SB66.1 | length 3198.1
  Top Layer w6.1: 236,-1946.5 236.09,-1946.4 356.76,-1946.4 396.89,-1946.4 397.3,-1946 ; 392,-2037 392,-2007.15 397.3,-2001.85 397.3,-1946 ; v2(392.85,-1831) 397.3,-1835.45 397.3,-1946
  Bottom Layer w6.1: v2(392.85,-1831) 397.3,-1826.55 397.3,-1717.49 424,-1690.79 424,-1506 597,-1333 597,341.79 690.78,435.57 690.78,835.78 SB66.1@668.57,858 SB66.1@665.06,861.5
NetSB68_1: SB68.1 | length 817.2
  Top Layer w5: 875.2,-625.1 v2(875.2,-598.2)
  Bottom Layer w5: v2(875.2,-598.2) 875.2,-122.8 937,-61 1087.16,-61 1121.53,-26.62 SB68.1@1121.53,2.06
NetSB69_1: SB69.1 | length 802.8
  Top Layer w5: 973,-415.5 v1@973,-370.01
  Bottom Layer w5: v1@973,-370.01 1102.99,-500 1391.47,-500 1488.47,-597 1636.25,-597
  other v1: 974,-369.63
NetSB70_1: SB70.1 | length 770.8
  Top Layer w5: 1150,-415.5 1193.5,-415.5 1280,-502 1506,-502 1568,-564 1568,-750 v2(1614,-796)
  Bottom Layer w5: v2@1613.25,-795.23 SB70.1@1613.25,-755
NetSB72_2: SB72.2 | length 2583.8
  Top Layer w5: v2(22,-1563) 22,-1413 52,-1383 432,-1383 452.85,-1403.85 560.15,-1403.85 582,-1382 582,-1342 563.5,-1323.5 467,-1323.5 454,-1310.5 454,-1271.5 467,-1258.5 593,-1258.5 606,-1245.5 606,-1206.5 593,-1193.5 467,-1193.5 454,-1180.5 454,-1141.5 467,-1128.5 593,-1128.5 606,-1115.5 606,-1076.5 593,-1063.5 481.29,-1063.5 386.5,-968.71 386.5,-782.5 445.16,-723.84 793.73,-723.84 832.6,-684.97 874.38,-684.97 875.2,-684.16
  Bottom Layer w5: v2(22,-1563) 22,-1596.25 SB72.2@25.75,-1600
NetSB73_2: SB73.2 | length 2673.1
  Top Layer w5: v2(62,-1500) 80.5,-1481.5 80.5,-1437 93.5,-1424 132.5,-1424 145.5,-1437 145.5,-1563 158.5,-1576 197.5,-1576 210.5,-1563 210.5,-1437 223.5,-1424 262.5,-1424 275.5,-1437 275.5,-1563 288.5,-1576 327.5,-1576 340.5,-1563 340.5,-1437 353.5,-1424 392.5,-1424 405.5,-1437 405.5,-1489 416.5,-1500 559.71,-1500 669,-1390.71 669,-1064 652,-1047 486,-1047 401.5,-962.5 401.5,-790.19 452.85,-738.84 799.95,-738.84 834.95,-703.84 875.2,-703.84
  Bottom Layer w5: SB73.2@25.75,-1500 v2(62,-1500)
NetSB74_1: SB74.1 | length 2262.1
  Bottom Layer w5: SB74.1@1072.7,338.75 1072.7,377.09 1051.79,398 953,398 867.73,483.27 867.73,940.73 914,987 1024.1,987 1102.45,1065.35 1102.45,1316.21 1080.49,1338.17 1080.49,1717.49 1204.25,1841.25 1204.25,2236